# Altium PCB ZJUDancer_Circuit_V3.6.3_MKVer.PcbDoc (part 2 of 3) (continued)
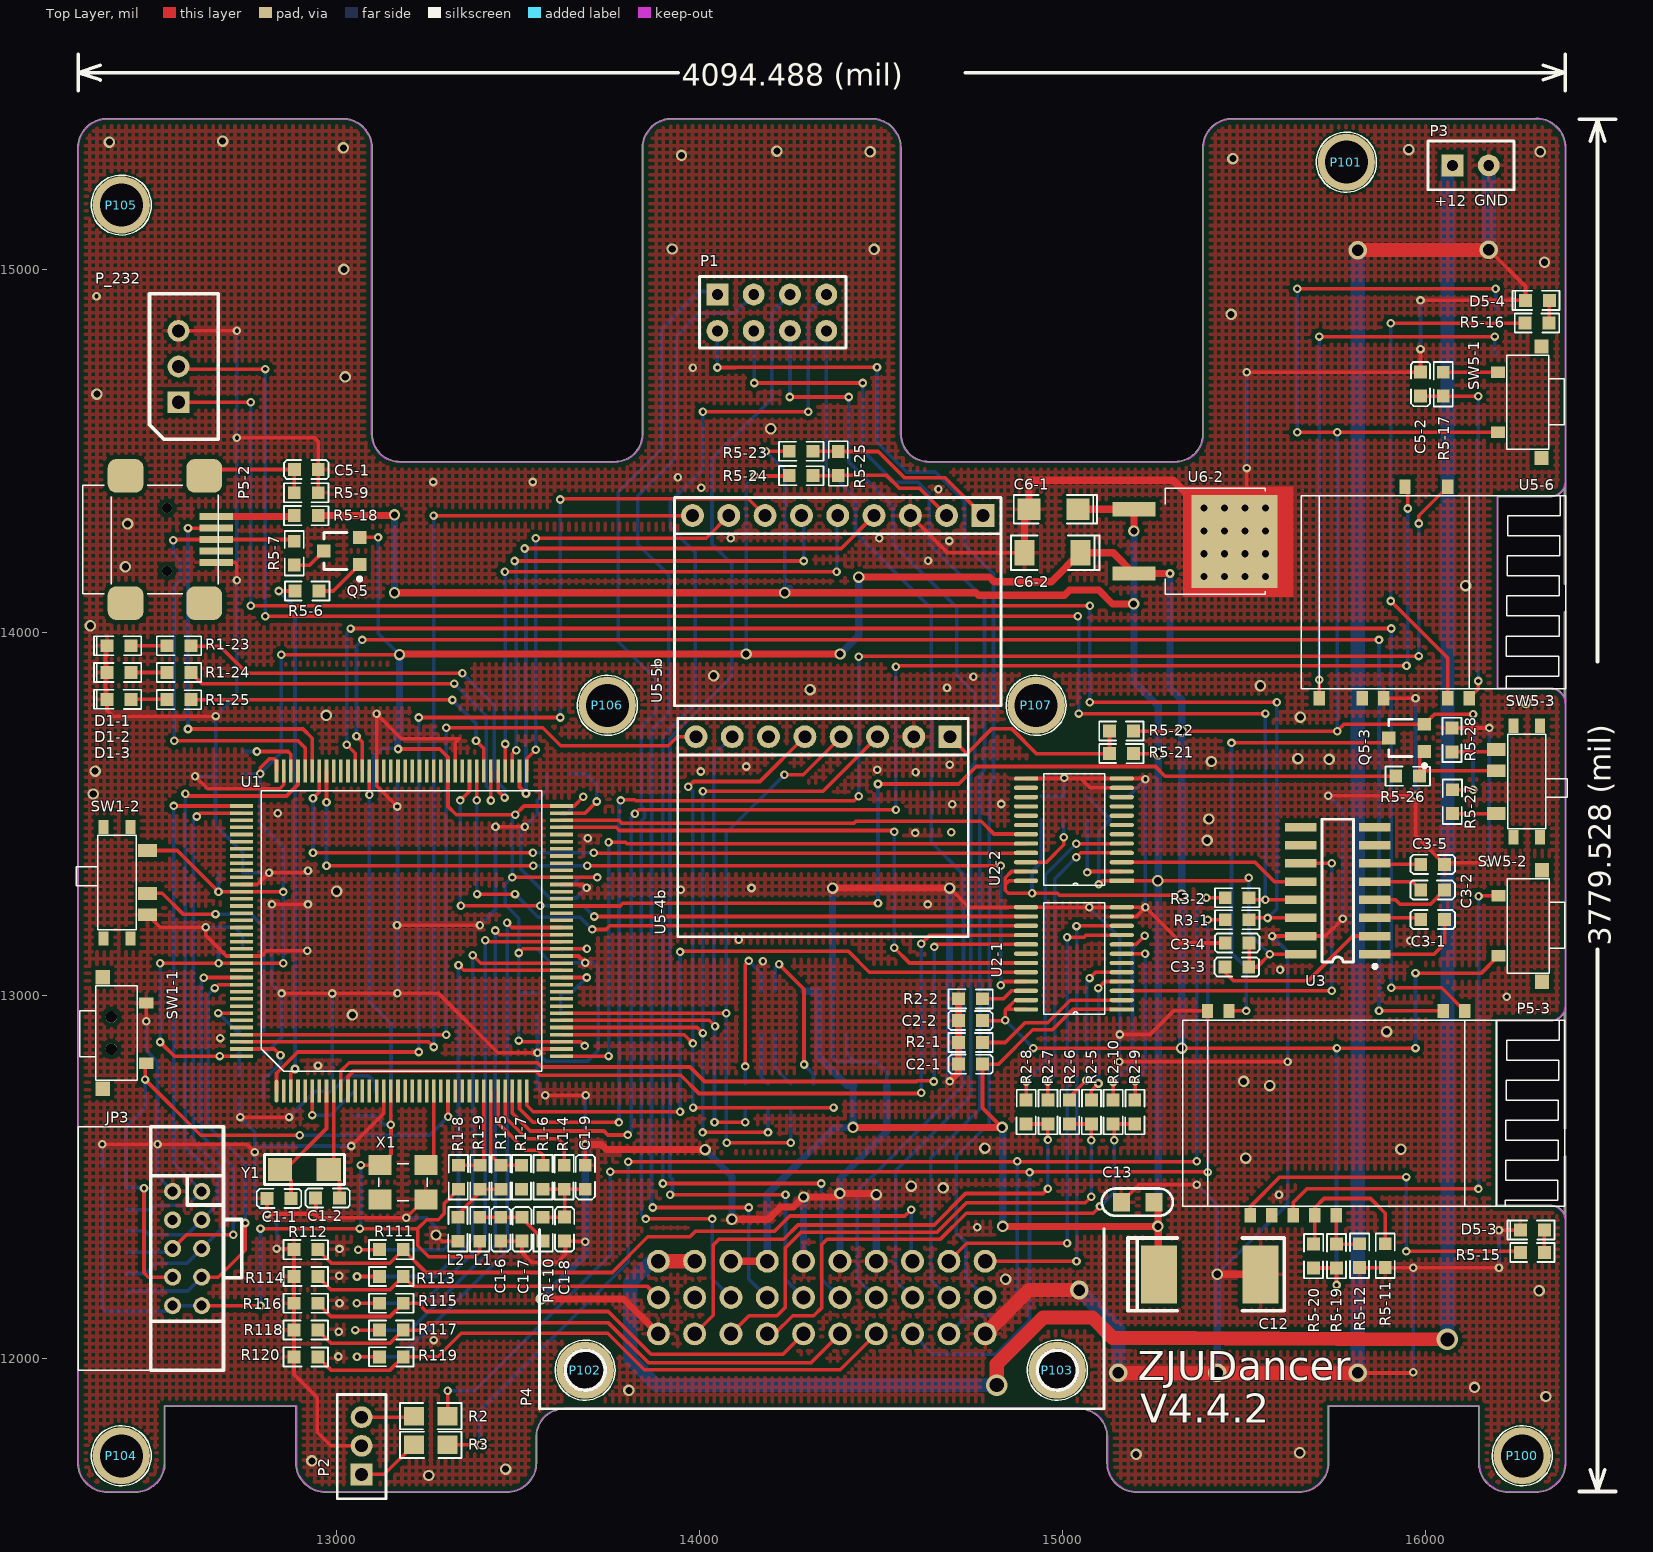
[diagram p0: Top Layer view]
## Nets (pads, with @x,y where several pads share a name; then routed paths per layer and width w, separated by ;. In a path a pad name is that pad's centre, name@x,y a point inside that pad or via, vN(x,y) a via of type N, cw(c..) or ccw(c..) an arc to the next point about the centre after c; other vN are vias at no path point) (continued)
NetR5-21_2: R5-21.2 R5-22.2 U5-4b.1 | length 577.4
  Top Layer w10: U5-4b.1@14689.57,13711.99 14736.21,13665.35 14805.17,13734.31 14858.61,13734.31 14927.56,13665.35 R5-21.2@15128.51,13665.35 R5-22.2@15128.51,13727.36
NetR5-23_2: R5-23.2 R5-25.2 U5-5b.1 | length 541.1
  Top Layer w10: R5-23.2@14312.45,14498.15 14380.73,14498.15 R5-25.2@14381.48,14497.39 14491.78,14497.39 14564.47,14424.7 14676.42,14424.7 U5-5b.1@14780.13,14320.99
NetR5-24_2: R5-24.2 R5-25.1 U5-5b.2 | length 413.7
  Top Layer w10: R5-24.2@14312.45,14431.02 14380.92,14431.02 R5-25.1@14381.48,14431.58 14514.28,14431.58 14549.21,14396.65 14604.47,14396.65 U5-5b.2@14680.13,14320.99
NetR5-27_2: R5-27.2 SW5-3.1 | length 121
  Top Layer w10: R5-27.2@16072.83,13500 SW5-3.1@16193.83,13500
NetR5-28_1: R5-28.1 SW5-3.3 | length 128.9
  Top Layer w10: R5-28.1@16071.85,13670.28 16193.83,13670.28 SW5-3.3@16193.83,13677.17
NetSW5-6_2: SW5-6.2 U5-6.9 | length 1528.9
  Top Layer w10: U5-6.9@15706.22,13818.03 v1(15706.22,13869.09) ; v1(15706.69,14813.98) v1(16189.96,14813.98)
  Bottom Layer w10: v1(15706.22,13869.09) 15706.22,14813.98 v1(15706.69,14813.98) ; v1(16189.96,14813.98) 16189.96,14766.73 SW5-6.2@16191.93,14766.73
OPT1: P4.8 R111.1 R112.2 | length 1906.8
  Top Layer w10: R112.2@12948.26,12299.22 12985.67,12261.81 13146.17,12261.81 R111.1@13183.49,12299.14 13246.41,12236.22 13758.86,12236.22 13857.28,12334.65 13973.43,12334.65 13989.17,12350.39 14206.93,12350.39 14248.35,12391.81 14565.04,12391.81 v1(14582.68,12409.45)
  Bottom Layer w10: v1(14582.68,12409.45) 14582.68,12270.78 P4.8@14586.14,12267.31
OPT1_LED: P4.9 U2-1.9 | length 1342
  Top Layer w10: P4.9@14686.14,12267.31 14735.76,12316.93 v1(15011.81,12316.93) ; v1(15011.81,13159.45) 15059.06,13159.45 15065.19,13165.59 U2-1.9@15162.58,13165.59
  Bottom Layer w10: v1(15011.81,12316.93) v1(15011.81,13159.45)
OPT1_LED_3.3V: U1.80 U2-1.15 | length 1896.2
  Top Layer w10: v1(13385.62,13536.63) U1.80@13385.62,13617.71 ; v1(13386.81,13278.54) v1(13491.31,13278.54) ; v1(13703.74,13181.1) 13741.89,13181.1 13751.97,13191.18 U2-1.15@14898.8,13191.18
  Bottom Layer w10: v1(13385.62,13536.63) 13385.62,13279.74 v1(13386.81,13278.54) ; v1(13491.31,13278.54) 13555.28,13214.57 13670.28,13214.57 v1(13703.74,13181.1)
OPT2: P4.11 R113.1 R114.2 | length 992
  Top Layer w10: R114.2@12948.26,12225.4 12984.68,12188.98 13147.15,12188.98 R113.1@13183.49,12225.32 13209.99,12198.82 13854.64,12198.82 P4.11@13886.14,12167.31
OPT2_LED: P4.10 U2-1.10 | length 1300.3
  Top Layer w10: P4.10@14786.14,12267.31 v1(15037.8,12267.31) ; v1(15037.8,13190.36) 15038.62,13191.18 U2-1.10@15162.58,13191.18
  Bottom Layer w10: v1(15037.8,12267.31) 15038.31,12267.82 15038.31,12754.32 15038.22,12754.41 15038.22,12776.36 15038.31,12776.45 15038.31,13189.86 v1(15037.8,13190.36)
OPT2_LED_3.3V: U1.81 U2-1.14 | length 1952.8
  Top Layer w10: v1(13340.55,13536.42) 13365.93,13561.8 U1.81@13365.93,13617.71 ; v1(13342.29,13246.3) v1(13561.02,13246.3) ; v1(13709.41,13216.77) U2-1.14@14898.8,13216.77
  Bottom Layer w10: v1@13339.57,13249.02 v1@13340.55,13248.03 ; v1(13340.55,13536.42) v1@13340.55,13248.03 ; v1(13342.29,13246.3) v1@13340.55,13248.03 ; v1(13561.02,13246.3) 13679.88,13246.3 v1(13709.41,13216.77)
OSC_IN: U1.23 X1.3 | length 212.7
  Top Layer w10: X1.3@13245.85,12532.08 13267.51,12553.74 U1.23@13267.51,12735.83
OSC_IN2: C1-1.2 U1.8 Y1.2 | length 369.7
  Top Layer w10: C1-1.2@12874.24,12440.55 12874.24,12490.31 Y1.2@12844.28,12520.27 12859.63,12520.27 12972.23,12632.87 U1.8@12972.23,12735.83
OSC_OUT: U1.24
OSC_OUT2: C1-2.2 U1.9 Y1.1 | length 312.4
  Top Layer w10: U1.9@12991.92,12735.83 12991.92,12534.05 Y1.1@12978.13,12520.27 13008.09,12490.31 C1-2.2@13008.09,12441.54
PA0: U1.34 U5-6.4 | length 4319.3
  Top Layer w10: U1.34@13484.04,12735.83 13484.04,12675.41 13533.46,12625.98 13736.22,12625.98 13747.05,12615.16 v1(13802.17,12615.16) ; v1(13821.54,13499.67) 13832.69,13510.83 v1(14540.35,13510.83) ; v1(14540.35,13904.53) 14540.35,13907.48 15946.64,13907.48 v1(15946.64,13907.17) ; U5-6.4@15942.44,14400.71 15949.8,14393.35 v1(15949.8,14340.55)
  Bottom Layer w10: v1(13802.17,12615.16) 13811.02,12624.02 13811.02,13489.16 v1(13821.54,13499.67) ; v1(14540.35,13510.83) v1(14540.35,13904.53) ; v1@15949.8,13907.17 v1(15949.8,14340.55)
PA1: U1.35 U5-6.2 | length 4317.3
  Top Layer w10: U1.35@13503.73,12735.83 13503.73,12687.22 13541.34,12649.61 v1(13777.56,12649.61) ; v1(13782.48,13536.42) 13783.39,13535.51 13785.23,13535.51 13788.07,13538.35 13820.97,13538.35 13823.81,13535.51 14425.28,13535.51 v1(14437.99,13548.23) ; v1(14437.99,13932.09) 14439.88,13933.98 v1(15980.24,13933.98) ; v1(15980.24,14299.21) 15980.24,14320.39 U5-6.2@16060.55,14400.71
  Bottom Layer w10: v1(13777.56,12649.61) 13777.56,13531.5 v1(13782.48,13536.42) ; v1(14437.99,13548.23) v1(14437.99,13932.09) ; v1(15980.24,13933.98) v1(15980.24,14299.21)
PA2: U1.36 U2-1.20 | length 1885.5
  Top Layer w10: U1.36@13523.41,12735.83 13523.41,12697.06 13541.34,12679.13 v1(13945.87,12679.13) ; v1@13945.87,13120.98 14409.53,13120.98 14467.29,13063.23 U2-1.20@14898.8,13063.23
  Bottom Layer w10: v1(13945.87,12679.13) v1(13945.87,13119.09)
PA3: U1.37 U2-2.20 | length 1869.4
  Top Layer w10: U1.37@13619.87,12832.28 v1(13749.02,12832.28) ; v1(13749.02,13421.26) 13796.26,13421.26 13799.96,13417.56 U2-2.20@14898.8,13417.56
  Bottom Layer w10: v1(13749.02,12832.28) v1(13749.02,13421.26)
PA4: R4-1.2 U1.40 U5-4b.5 | length 2082.2
  Top Layer w10: U1.40@13619.87,12891.34 13957.09,12891.34 v1(13981.3,12867.13) ; v1(13968.5,13573.82) 13983.19,13588.5 14166.08,13588.5 U5-4b.5@14289.57,13711.99 ; v1(13981.73,12690.52) v1(14368.67,12690.52)
  Bottom Layer w10: v1(13968.5,13573.82) 13981.3,13561.02 v1(13981.3,12867.13) v1@13981.3,12690.94 ; v1@13980.32,12691.93 v1@13981.3,12690.94 ; v1(13981.73,12690.52) v1@13981.3,12690.94 ; R4-1.2@14313.32,12690.52 v1(14368.67,12690.52)
PA5: R4-2.2 U1.41 U5-4b.3 | length 2127.1
  Top Layer w10: U1.41@13619.87,12911.02 13993.51,12911.02 v1(14008.86,12895.67) ; v1(14007.88,12622.05) v1(14187.99,12622.05) ; v1(14008.86,13562.01) 14339.59,13562.01 U5-4b.3@14489.57,13711.99
  Bottom Layer w10: v1(14007.88,12622.05) 14008.86,12623.03 v1(14008.86,12895.67) v1(14008.86,13562.01) ; v1(14187.99,12622.05) R4-2.2@14187.99,12690.52
PA6: R4-3.2 U1.42 U5-4b.7 | length 1639.4
  Top Layer w10: U1.42@13619.87,12930.71 14025.99,12930.71 v1(14042.32,12914.37) ; v1(14040.68,12650.26) v1(14125.33,12650.26)
  Bottom Layer w10: v1(14040.68,12650.26) 14040.68,12912.73 v1(14042.32,12914.37) 14038.39,12918.31 14038.39,13660.81 U5-4b.7@14089.57,13711.99 ; v1(14125.33,12650.26) R4-3.2@14125.33,12690.52
PA7: R4-4.2 U1.43 U5-4b.4 | length 2006.3
  Top Layer w10: U1.43@13619.87,12950.39 v1(14073.23,12950.39) ; v1(14074.15,12593.83) v1(14250.65,12593.83) ; v1(14233.27,13607.28) 14284.86,13607.28 U5-4b.4@14389.57,13711.99
  Bottom Layer w10: v1(14074.15,12593.83) 14073.23,12594.75 v1(14073.23,12950.39) 14073.23,13447.25 v1(14233.27,13607.28) ; v1(14250.65,12593.83) R4-4.2@14250.65,12690.52
PA8: U1.100
PA9: U1.101 U2-1.21 | length 2520.9
  Top Layer w10: v1(12972.23,13356.3) v1(13541.34,13356.3) ; v1(12972.23,13531.5) U1.101@12972.23,13617.71 ; v1(13689.96,13356.3) 14789.37,13356.3 v1(14828.74,13356.3) ; v1(14828.74,13027.56) 14838.82,13037.64 U2-1.21@14898.8,13037.64
  Bottom Layer w10: v1(12972.23,13356.3) v1(12972.23,13531.5) ; v1(13541.34,13356.3) v1(13689.96,13356.3) ; v1(14828.74,13027.56) v1(14828.74,13356.3)
PA10: U1.102 U2-2.21 | length 2197.5
  Top Layer w10: v1(12935.04,13391.97) v1(13540.59,13391.97) ; v1(12935.04,13542.32) 12952.55,13559.83 U1.102@12952.55,13617.71 ; v1(13708.43,13391.97) 13709.33,13391.06 14897.89,13391.06 U2-2.21@14898.8,13391.97
  Bottom Layer w10: v1(12935.04,13391.97) v1(12935.04,13542.32) ; v1(13540.59,13391.97) v1(13708.43,13391.97)
PA11: P5-2.2 U1.103 | length 1073.8
  Top Layer w10: v1(12590.67,13733.15) 12907.6,13733.15 12932.86,13707.89 U1.103@12932.86,13617.71 ; v1(12590.67,14286.54) P5-2.2@12668.25,14286.54
  Bottom Layer w10: v1(12590.67,13733.15) v1(12590.67,14286.54)
PA12: P5-2.3 R5-7.2 U1.104 | length 1333
  Top Layer w10: v1(12550.2,14252.95) v1@12551.18,14253.94 ; v1@12551.18,14255.04 P5-2.3@12668.25,14255.04 12880.04,14255.04 R5-7.2@12883.3,14258.3 ; v1(12553.15,13700.79) 12893.7,13700.79 12913.18,13681.31 U1.104@12913.18,13617.71
  Bottom Layer w10: v1(12550.2,14252.95) 12550.2,14215.55 12568.9,14196.85 12568.9,14142.72 12553.15,14126.97 v1(12553.15,13700.79)
PB0: U1.46
PB1: U1.47
PB5: U1.135
PB6: U1.136
PB7: U1.137
PB8: U1.139
PB9: U1.140
PB10: U1.69 U2-1.19 | length 1620.4
  Top Layer w10: U1.69@13619.87,13462.2 13769.8,13462.2 13778.51,13453.49 14531.74,13453.49 v1(14535.43,13449.8) ; v1(14535.43,13130.91) 14577.52,13088.82 U2-1.19@14898.8,13088.82
  Bottom Layer w10: v1(14535.43,13130.91) v1(14535.43,13449.8)
PB11: U1.70 U2-2.19 | length 1300.1
  Top Layer w10: U1.70@13619.87,13481.89 13777.96,13481.89 13786.66,13473.18 14424.36,13473.18 14430.51,13479.33 14775.36,13479.33 14810.64,13444.05 14897.89,13444.05 U2-2.19@14898.8,13443.15
PB12: U1.73 U5-5b.8 | length 1212.4
  Top Layer w10: U1.73@13523.41,13617.71 13523.41,13651.36 v1(13548.23,13676.18) ; v1@13549.21,14259.84 v1(13548.23,14258.86) 14018,14258.86 U5-5b.8@14080.13,14320.99
  Bottom Layer w10: v1(13548.23,14258.86) v1(13548.23,13676.18) v1@13550.2,13676.18
PB13: U1.74 U5-5b.4 | length 1745.9
  Top Layer w10: U1.74@13503.73,13617.71 13503.73,13573.35 v1(13521.53,13555.54) ; v1(13517.72,14230.32) 14389.45,14230.32 U5-5b.4@14480.13,14320.99
  Bottom Layer w10: v1(13517.72,14230.32) 13521.53,14226.5 v1(13521.53,13555.54)
PB14: U1.75 U5-5b.6 | length 1508.7
  Top Layer w10: U1.75@13484.04,13617.71 13484.04,13664.17 v1(13494.75,13674.88) ; v1(13490.16,14195.87) v1(14286.42,14195.87)
  Bottom Layer w10: v1(13490.16,14195.87) 13495.07,14190.95 13495.07,13675.2 v1(13494.75,13674.88) ; U5-5b.6@14280.13,14320.99 14286.42,14314.7 v1(14286.42,14195.87)
PB15: U1.76 U5-5b.5 | length 1618.3
  Top Layer w10: v1(13463.58,14166.34) v1(14376.97,14166.34) ; U1.76@13464.36,13617.71 v1(13464.36,13691.93)
  Bottom Layer w10: v1(13463.58,14166.34) 13464.36,14165.57 v1(13464.36,13691.93) ; v1(14376.97,14166.34) 14376.97,14317.83 U5-5b.5@14380.13,14320.99
PC6: P5-3.2 U1.96 | length 4373.3
  Top Layer w10: v1(13054.77,13713.27) 13070.66,13697.38 U1.96@13070.66,13617.71 ; v1(13070.66,13978.56) v1(15870.85,13978.56) ; v1(15870.85,12956.9) 16048.02,12956.9 P5-3.2@16048.23,12956.69
  Bottom Layer w10: v1(13054.77,13713.27) 13054.77,13962.67 v1(13070.66,13978.56) ; v1(15870.85,12956.9) v1(15870.85,13978.56)
PC7: P5-3.1 U1.97 | length 4491.3
  Top Layer w10: v1(13027.56,13689.96) 13050.97,13666.55 U1.97@13050.97,13617.71 ; v1(13038.39,14009.84) 13090.34,14009.84 13090.55,14010.05 v1(15904.74,14010.05) ; v1(15904.74,13020.46) 16043.52,13020.46 P5-3.1@16107.28,12956.69
  Bottom Layer w10: v1(13027.56,13689.96) 13027.56,13999.02 v1(13038.39,14009.84) ; v1(15904.74,13020.46) v1(15904.74,14010.05)
PC8: U1.98
PC9: U1.99
PC10: U1.111
PC11: U1.112
PC12: U1.113
PC13: U1.7
PC_232RX: P2.3 R2.1 | length 145
  Top Layer w10: P2.3@13068.82,11837.72 13209.91,11837.72 R2.1@13212.66,11840.46
PC_232TX: P2.1 R3.2 | length 177.5
  Top Layer w10: P2.1@13068.82,11680.24 13131.43,11680.24 R3.2@13212.66,11761.46
PD0: U1.114
PD1: U1.115
PD2: U1.116
PD3: U1.117
PD4: U1.118
PD5: U1.119
PD6: U1.122
PD7: U1.123
PD8: R1-23.2 U1.77 | length 1250.6
  Top Layer w10: R1-23.2@12598.7,13962.42 12600.49,13960.63 12679.13,13960.63 12752.95,13886.81 v1(13346.46,13886.81) ; U1.77@13444.67,13617.71 13444.67,13562.22 v1(13462.6,13544.29)
  Bottom Layer w10: v1(13346.46,13886.81) 13434.06,13799.21 13434.06,13595.47 13462.6,13566.93 v1(13462.6,13544.29)
PD9: R1-24.2 U1.78 | length 1183.7
  Top Layer w10: R1-24.2@12598.7,13888.8 12630.21,13857.28 v1@13319.88,13857.28 ; v1@13319.88,13858.27 v1(13323.82,13858.27) ; v1(13424.99,13536.21) U1.78@13424.99,13617.71
  Bottom Layer w10: v1(13323.82,13858.27) 13412.4,13769.68 13412.4,13575.79 13424.99,13563.2 v1(13424.99,13536.21)
PD10: R1-25.2 U1.79 | length 951.3
  Top Layer w10: R1-25.2@12598.7,13814 v1@13317.91,13814 ; v1@13317.91,13812.99 v1(13318.92,13812.99) ; v1(13383.86,13700.79) 13405.3,13679.35 U1.79@13405.3,13617.71
  Bottom Layer w10: v1(13318.92,13812.99) 13383.86,13748.05 v1(13383.86,13700.79)
PD13: U1.82
PD14: U1.85
PD15: U1.86
PE0: U1.141 U5-4b.8 | length 2127.8
  Top Layer w10: U1.141@12737.98,12891.34 v1(13301.58,12891.34) ; v1(13301.58,13736.62) 13567.52,13736.62 13617.13,13687.01 13913.4,13687.01 13938.39,13711.99 U5-4b.8@13989.57,13711.99
  Bottom Layer w10: v1(13301.58,12891.34) v1(13301.58,13736.62)
PE1: U1.142 U5-5b.9 | length 2712.8
  Top Layer w10: U1.142@12737.98,12871.65 13253.35,12871.65 v1(13267.72,12857.28) ; v1(13267.01,14320.99) U5-5b.9@13980.13,14320.99
  Bottom Layer w10: v1(13267.01,14320.99) 13267.01,12922.24 13267.72,12921.54 v1(13267.72,12857.28)
PE2: U1.1 U5-5b.7 | length 2960.9
  Top Layer w10: U1.1@12834.44,12735.83 12834.44,12785.22 12892.72,12843.5 v1(13226.38,12843.5) ; v1(13226.38,13764.76) v1(13616.14,13764.76) ; v1(13616.14,14365.16) 13618.16,14367.17 14133.95,14367.17 U5-5b.7@14180.13,14320.99
  Bottom Layer w10: v1(13226.38,12843.5) v1(13226.38,13764.76) ; v1(13616.14,13764.76) v1(13616.14,14365.16)
PE3: U1.2
PE4: R5-6.2 U1.3 | length 1446
  Top Layer w10: v1(12840.55,14113.19) R5-6.2@12885.83,14113.19 ; U1.3@12873.81,12735.83 12873.81,12785.22 v1(12885.4,12796.82)
  Bottom Layer w10: v1(12840.55,14113.19) 12885.4,14068.34 v1(12885.4,12796.82)
PE5: U1.4
PE6: U1.5
PE7: R5-26.1 U1.58 | length 2659.8
  Top Layer w10: U1.58@13619.87,13245.67 13781.1,13245.67 13788.39,13252.95 v1(14491.14,13252.95) ; v1(14491.14,13581.69) 14713.58,13581.69 14761.81,13629.92 15255.19,13629.92 15281.76,13603.35 R5-26.1@15916.9,13603.35
  Bottom Layer w10: v1(14491.14,13252.95) v1(14491.14,13581.69)
PE8: U1.59
PE9: U1.60
PE10: U1.63
PE11: U1.64
PE12: U1.65
PE13: U1.66
PE14: U1.67
PE15: U1.68
PF2: U1.12
PF3: U1.13
PF4: U1.14
PF5: U1.15
PF6: U1.18
PF7: U1.19
PF8: U1.20
PF9: U1.21
PF10: U1.22
PF11: R111.2 U1.49 | length 1383.3
  Top Layer w10: v1(13059.96,12299.14) R111.2@13117.68,12299.14 ; v1(13335.63,13082.68) 13349.81,13068.5 U1.49@13619.87,13068.5
  Bottom Layer w10: v1(13059.96,12299.14) 13295.2,12299.14 13335.63,12339.57 v1(13335.63,13082.68)
PF12: R113.2 U1.50 | length 1459.2
  Top Layer w10: v1(13056.18,12225.32) R113.2@13117.68,12225.32 ; v1(13375,13110.24) 13397.05,13088.19 U1.50@13619.87,13088.19
  Bottom Layer w10: v1(13056.18,12225.32) 13272.56,12225.32 13375,12327.76 v1(13375,13110.24)
PF13: R115.2 U1.53 | length 1528.1
  Top Layer w10: v1(13055.19,12151.5) R115.2@13117.68,12151.5 ; v1(13409.45,13151.57) 13413.78,13147.24 U1.53@13619.87,13147.24
  Bottom Layer w10: v1(13055.19,12151.5) 13237.13,12151.5 13409.45,12323.82 v1(13409.45,13151.57)
PF14: R117.2 U1.54 | length 1603.2
  Top Layer w10: v1(13051.11,12077.68) R117.2@13117.68,12077.68 ; v1(13437.01,13178.15) 13448.23,13166.93 U1.54@13619.87,13166.93
  Bottom Layer w10: v1(13051.11,12077.68) 13202.68,12077.68 13437.01,12312.01 v1(13437.01,13178.15)
PF15: R119.2 U1.55 | length 1655.3
  Top Layer w10: v1(13056.17,12003.86) R119.2@13117.68,12003.86 ; v1(13469.49,13199.8) 13482.68,13186.61 U1.55@13619.87,13186.61
  Bottom Layer w10: v1(13056.17,12003.86) 13177.09,12003.86 13469.49,12296.26 v1(13469.49,13199.8)
PG0: U1.56
PG1: U1.57
PG2: U1.87
PG3: U1.88
PG4: U1.89
PG5: U1.90
PG6: U1.91
PG7: U1.92
PG8: U1.93
PG9: U1.124
PG10: U1.125
PG11: U1.126
PG12: U1.127
PG13: U1.128
PG14: U1.129
PG15: U1.132
RESERVED: P4.12
RESET: C1-3.2 JP3.4 R1-3.1 SW1-1.1 U1.25 | length 1722.9
  Top Layer w10: v1(12469.49,12468.5) 12469.49,12235.24 12481.18,12223.54 JP3.4@12548.46,12223.54 ; SW1-1.1@12475.9,12813.11 12472.44,12809.65 v1(12472.44,12767.72) 12625.98,12614.17 v1(12898.62,12614.17) ; v1(13306.88,12665.14) U1.25@13306.88,12735.83
  Bottom Layer w10: v1(12469.49,12468.5) 12467.45,12470.54 R1-3.1@12420.08,12470.54 C1-3.2@12420.09,12529.59 12420.09,12637.61 12472.44,12689.96 v1(12472.44,12767.72) ; v1(12898.62,12614.17) 13255.91,12614.17 v1(13306.88,12665.14)
RX-232: P_232.2 R3-2.1 U3.13 | length 4603
  Top Layer w10: P_232.2@12564.49,14731.42 12571.5,14724.41 v1(12803.15,14724.41) ; v1(12803.15,14043.31) v1(15041.34,14043.31) ; v1(15044.29,13775.59) v1(15558.07,13775.59) ; R3-2.1@15513.31,13268.29 15518.68,13262.91 v1(15558.07,13262.91) U3.13@15655.04,13262.91
  Bottom Layer w10: v1(12803.15,14043.31) v1(12803.15,14724.41) ; v1(15041.34,14043.31) 15044.29,14040.35 v1(15044.29,13775.59) v1@15042.32,13773.62 ; v1(15558.07,13262.91) v1(15558.07,13775.59)
RXD1: P4.22 R2-7.1 R2-8.1 | length 1489.8
  Top Layer w10: P4.22@13986.14,12067.31 14037.4,12118.57 14037.4,12312.01 14053.15,12327.76 14231.3,12327.76 14270.67,12367.13 14645.67,12367.13 14732.28,12453.74 14945.51,12453.74 v1(14958.98,12467.2) ; R2-8.1@14899.14,12645.37 R2-7.1@14958.98,12645.37 v1(14958.98,12601.38)
  Bottom Layer w10: v1(14958.98,12467.2) v1(14958.98,12601.38)
SCK: ?.3 R4-2.1 | length 144.4
  Bottom Layer w10: ?.3@14168.98,12892.83 14168.98,12775.34 R4-2.1@14187.99,12756.33
SS: ?.6 R4-1.1 | length 447.5
  Top Layer w10: v1(14218.5,13085.63) 14287.4,13016.73 v1(14287.4,12809.06)
  Bottom Layer w10: ?.6@14208.35,13010.94 14208.35,13075.47 v1(14218.5,13085.63) ; v1(14287.4,12809.06) 14313.32,12783.14 R4-1.1@14313.32,12756.33
TX-232: P_232.1 R3-1.1 U3.14 | length 4604.2
  Top Layer w10: P_232.1@12564.49,14632.99 v1(12763.66,14632.99) ; v1(12763.66,14072.83) v1(15074.8,14072.83) ; v1(15073.94,13806.97) v1(15589.68,13806.97) ; R3-1.1@15513.31,13207.8 15518.43,13212.91 U3.14@15655.04,13212.91
  Bottom Layer w10: v1(12763.66,14072.83) v1(12763.66,14632.99) ; v1@15071.85,13809.06 v1@15073.82,13807.09 ; v1(15073.94,13806.97) v1@15073.82,13807.09 ; v1(15074.8,14072.83) 15073.82,14071.85 v1@15073.82,13807.09 ; v1(15563.98,13212.6) 15589.68,13238.31 v1(15589.68,13806.97)
TXD1: P4.23 R2-5.1 R2-6.1 | length 1505.4
  Top Layer w10: P4.23@14086.14,12067.31 14135.95,12117.13 14212.6,12117.13 14235.24,12139.76 14235.24,12303.85 14278.82,12347.44 14653.82,12347.44 14734.53,12428.15 15062.01,12428.15 v1(15078.66,12444.8) ; R2-6.1@15018.82,12645.37 R2-5.1@15078.66,12645.37 v1(15078.66,12600.39)
  Bottom Layer w10: v1(15078.66,12444.8) v1(15078.66,12600.39)
USART1_RX_5V: U2-2.3 U3.12 | length 514.6
  Top Layer w10: U2-2.3@15162.58,13366.38 15529.29,13366.38 15582.76,13312.91 U3.12@15655.04,13312.91
USART1_TX_5V: U2-1.3 U3.11 | length 1015.8
  Top Layer w10: U2-1.3@15162.58,13012.04 v1(15740.91,13012.04) ; U3.11@15655.04,13362.91 15655.55,13363.42 v1(15740.91,13363.42)
  Bottom Layer w10: v1(15740.91,13012.04) v1(15740.91,13363.42)
USART2_RX_5V: R2-7.2 U2-2.4 | length 831.4
  Top Layer w10: R2-7.2@14958.98,12711.18 v1(14958.98,12761.49) ; v1(15037.4,13379.92) 15049.45,13391.97 U2-2.4@15162.58,13391.97
  Bottom Layer w10: v1(14958.98,12761.49) 14978.35,12780.86 14978.35,13320.87 v1(15037.4,13379.92)
USART2_TX_5V: R2-5.2 U2-1.4 | length 388.4
  Top Layer w10: R2-5.2@15078.66,12711.18 15078.66,12737.13 v1(15098.43,12756.89) ; v1(15097.67,13019.68) 15115.62,13037.64 U2-1.4@15162.58,13037.64
  Bottom Layer w10: v1@15095.47,12759.84 15099.41,12763.78 15099.41,13017.95 v1(15097.67,13019.68)
USART3_RX_5V: R2-8.2 U2-2.5 | length 891.5
  Top Layer w10: R2-8.2@14899.14,12711.18 v1(14899.14,12762.28) ; v1(15037.4,13417.39) v1@15037.4,13417.56 ; v1@15037.4,13420.28 v1@15037.4,13417.56 ; U2-2.5@15162.58,13417.56 v1@15037.4,13417.56
  Bottom Layer w10: v1(14899.14,12762.28) 14951.77,12814.92 14951.77,13331.76 v1(15037.4,13417.39)
USART3_TX_5V: R2-6.2 U2-1.5 | length 454.2
  Top Layer w10: R2-6.2@15018.82,12711.18 15018.82,12719.49 v1(15064.71,12765.39) ; v1(15073.82,13047.24) 15089.8,13063.23 U2-1.5@15162.58,13063.23
  Bottom Layer w10: v1(15064.71,12765.39) 15065.94,12766.62 15065.94,13039.37 v1(15073.82,13047.24)
USB2_5V: P1.1 P4.13 | length 3193.3
  Top Layer w10: v1(13851.38,12383.86) v1(14034.45,12383.86)
  Bottom Layer w10: v1(13851.38,12383.86) 13839.02,12396.22 13839.02,13479.68 13848.04,13488.7 13848.04,13510.65 13839.02,13519.67 13839.02,13739.17 13878.94,13779.09 13878.94,13869.84 13775.59,13973.19 13775.59,14385.83 13893.7,14503.94 13893.7,14833.66 13998.03,14937.99 14040.59,14937.99 P1.1@14048.74,14929.84 ; v1(14034.45,12383.86) 14034.45,12219.01 P4.13@14086.14,12167.31
USB2_D+: P1.3 P4.15 | length 3288.9
  Top Layer w10: v1(13918.31,12450.79) v1(14236.22,12450.79)
  Bottom Layer w10: v1(13918.31,12450.79) 13925.12,12457.6 13925.12,12492.27 13918.31,12499.09 13918.31,13707.68 14088.58,13877.95 14088.58,14187.99 14033.95,14242.63 14033.95,14477.85 14198.82,14642.72 14198.82,14879.92 P1.3@14248.74,14929.84 ; v1(14236.22,12450.79) 14236.22,12217.24 P4.15@14286.14,12167.31
USB2_D-: P1.2 P4.14 | length 3294.3
  Top Layer w10: v1(13871.06,12415.35) v1(14134.84,12415.35)
  Bottom Layer w10: v1(13871.06,12415.35) 13867.13,12419.29 13867.13,13479.95 13867.72,13480.55 13867.72,13518.8 13867.13,13519.4 13867.13,13729.33 13914.37,13776.57 13914.37,14157.48 13829.72,14242.13 13829.72,14375 13935.04,14480.32 13935.04,14814.96 13998.03,14877.95 14096.85,14877.95 P1.2@14148.74,14929.84 ; v1(14134.84,12415.35) 14134.84,12218.61 P4.14@14186.14,12167.31
USB2_DG: P1.4 P4.16 | length 3634.5
  Top Layer w10: v1(13898.62,12481.3) v1(14334.65,12481.3) ; v1(14008.86,14607.28) v1(14299.21,14607.28)
  Bottom Layer w10: v1(13898.62,12481.3) 13898.62,13715.83 13988.19,13805.4 13988.19,14218.5 13919.29,14287.4 13919.29,14359.25 14008.86,14448.82 v1(14008.86,14607.28) ; v1@14299.21,14606.3 v1(14299.21,14607.28) 14299.21,14880.32 P1.4@14348.74,14929.84 ; v1(14334.65,12481.3) 14334.65,12218.81 P4.16@14386.14,12167.31
V\_\A\L\M\: P4.25 R115.1 R116.2 | length 1449.7
  Top Layer w10: R116.2@12948.26,12151.58 12984.68,12115.16 13147.15,12115.16 R115.1@13183.49,12151.5 13224.48,12151.5 13247.05,12128.94 13748.03,12128.94 13866.14,12010.83 14229.65,12010.83 P4.25@14286.14,12067.31
VBAT: C1-23.2 R1-20.1 U1.6 | length 210.2
  Top Layer w10: v1(12932.67,12669.88) 12932.86,12670.07 U1.6@12932.86,12735.83
  Bottom Layer w10: v1(12932.67,12669.88) C1-23.2@12987.98,12669.88 12987.98,12675.23 R1-20.1@13047.03,12734.28
VDDA: C1-8.1 C1-9.1 R1-4.2 R1-6.2 R1-10.2 | length 253.1
  Top Layer w10: R1-10.2@13568.69,12388.38 13627.69,12388.38 C1-8.1@13627.95,12388.65 13627.95,12464.52 R1-4.2@13626.76,12465.71 ; R1-6.2@13568.69,12465.71 R1-4.2@13626.76,12465.71 ; C1-9.1@13684.82,12465.72 R1-4.2@13626.76,12465.71
VREF+: R1-6.1 U1.32 | length 275.8
  Top Layer w10: U1.32@13444.67,12735.83 13444.67,12647.85 13519.69,12572.83 13554.13,12572.83 13568.69,12558.28 R1-6.1@13568.69,12531.52
VREF-: R1-7.2
VSSA: L2.2 R1-5.2 R1-9.2 | length 160.5
  Top Layer w10: L2.2@13333.98,12388.32 13333.98,12395.99 13394.47,12456.48 R1-9.2@13394.47,12465.71 R1-5.2@13452.54,12465.71
XPC_232RX: P4.28 R2.2 R3-1.2 | length 4085.8
  Top Layer w10: R2.2@13305.66,11840.46 v1(13305.66,11910.43) ; v1(13753.94,12513.78) v1@14910.43,12513.78 ; v1(14908.46,12511.81) v1@14910.43,12513.78 ; v1(15399.61,12512.8) 15398.62,12513.78 v1@14910.43,12513.78 ; v1(15399.61,13207.8) R3-1.2@15447.5,13207.8
  Bottom Layer w10: v1(13305.66,11910.43) 13379.92,11910.43 13753.94,12284.45 v1(13753.94,12513.78) ; P4.28@14586.14,12067.31 14642.18,12011.28 14815.41,12011.28 14908.46,12104.33 v1(14908.46,12511.81) ; v1(15399.61,12512.8) v1(15399.61,13207.8)
XPC_232TX: P4.29 R3-2.2 R3.1 | length 3997.2
  Top Layer w10: R3.1@13305.66,11761.46 13394.34,11761.46 v1(13394.69,11761.81) ; v1(13803.15,12541.34) v1@14873.03,12541.34 ; v1@14874.43,12541.34 15368.11,12541.34 v1(15369.09,12542.32) ; v1(15395.67,13268.29) R3-2.2@15447.5,13268.29
  Bottom Layer w10: v1(13394.69,11761.81) 13394.69,11856.3 13803.15,12264.76 v1(13803.15,12541.34) ; P4.29@14686.14,12067.31 14737.92,12119.09 14826.61,12119.09 14874.43,12166.91 v1(14874.43,12542.89) ; v1(15369.09,12542.32) 15369.09,13241.71 v1(15395.67,13268.29)
pads on no net: ?.1 ?.2 ?.7 ?.8 ?.9 ?.16 ?.17 ?.18 ?.19 ?.20 ?.21 ?.22 ?.23 ?.24 JP3.8 P4.0 P5-2.0 P5-2.4 P5-2.6@12418.82,14079.84 P5-2.6@12418.82,14430.24 P5-2.6@12635.35,14079.84 P5-3.25 P100.1 P101.1 P102.1 P103.1 P104.1 P105.1 P106.1 P107.1 SW1-1.0 SW1-1.5 SW1-2.0 SW5-1.0 SW5-2.0 SW5-3.0 SW5-6.0 SW5-6.3 U2-1.6 U2-1.18 U2-2.6 U2-2.7 U2-2.8 U2-2.9 U2-2.10 U2-2.14 U2-2.15 U2-2.16 U2-2.17 U2-2.18 U3.7 U3.8 U3.9 U3.10 U5-4b.6 U5-6.11 X1.1
copper on no net:
  other v1: 14692.91,13448.82

## Polygon pours and split planes (outlines as drawn)
GND on Top Layer "Top Layer-No Net" (hatched 90Degree grid 20 track 10, remove dead copper, pour order 2): 12288.9,11632.99 16383.39,11632.99 16383.39,15412.52 12288.9,15412.52 12288.9,11632.99
GND on Bottom Layer "Top Layer-No Net" (hatched 90Degree grid 20 track 10, remove dead copper, pour order 4): 12288.9,11632.99 16383.39,11632.99 16383.39,15412.52 12288.9,15412.52

## Keep-outs
Keep-Out Layer:
  lines w3.94: 16341.54,13843.62 16196.38,13843.62 16196.38,14375.12 16343.9,14375.12 ; 16343.5,13843.62 cw(c16343.5,13804.25) 16382.87,13804.25 ; 16344.02,14375 ccw(c16344.02,14414.37) 16383.39,14414.37 16383.39,14133.86 16383.39,15334.25 ; 16383.39,13804.25 16383.39,14055.12 16383.39,12633.86 16383.39,12970.47 cw(c16344.02,12970.47) 16344.02,12931.1 16193.9,12931.1 16193.9,12419.29 16344.02,12419.29 cw(c16344.02,12379.92) 16383.39,12379.92 16383.39,12555.12 16383.39,11711.73 cw(c16304.65,11711.73) 16304.65,11632.99 16225.91,11632.99 cw(c16225.91,11711.73) 16147.17,11711.73 16147.17,11869.21 15730.13,11869.21 15730.13,11711.73 cw(c15651.39,11711.73) 15651.39,11632.99 15488.39,11632.99 15202.28,11632.99 cw(c15202.28,11711.73) 15123.54,11711.73 15123.54,11783.39 ccw(c15044.8,11783.39) 15044.8,11862.13 13627.48,11862.13 ccw(c13627.48,11783.39) 13548.74,11783.39 13548.74,11711.73 cw(c13470,11711.73) 13470,11632.99 12968.39,11632.99 cw(c12968.39,11711.73) 12889.65,11711.73 12889.65,11869.21 12525.12,11869.21 12525.12,11711.73 cw(c12446.38,11711.73) 12446.38,11632.99 12367.64,11632.99 cw(c12367.64,11711.73) 12288.9,11711.73 12288.9,12932.2 ; 12288.9,12932.2 12288.9,15333.78 ; 12288.9,12932.2 12288.9,15333.78 ; 12288.9,15333.78 cw(c12367.64,15333.78) 12367.64,15412.52 ; 12288.9,15333.78 cw(c12367.64,15333.78) 12367.64,15412.52 ; 12367.64,15412.52 13017.24,15412.52 ; 12367.64,15412.52 13017.24,15412.52 ; 13017.24,15412.52 cw(c13017.24,15333.78) 13095.98,15333.78 ; 13017.24,15412.52 cw(c13017.24,15333.78) 13095.98,15333.78 ; 13095.98,14546.38 ccw(c13174.72,14546.38) 13174.72,14467.64 ; 13095.98,14546.38 ccw(c13174.72,14546.38) 13174.72,14467.64 ; 13095.98,14546.38 13095.98,15333.78 ; 13095.98,14546.38 13095.98,15333.78 ; 13174.72,14467.64 13765.28,14467.64 ccw(c13765.28,14546.38) 13844.02,14546.38 13844.02,15333.78 cw(c13922.76,15333.78) 13922.76,15412.52 14473.94,15412.52 cw(c14473.94,15333.78) 14552.68,15333.78 14552.68,14546.38 ccw(c14631.42,14546.38) 14631.42,14467.64 15308.58,14467.64 ; 15308.58,14467.64 ccw(c15308.58,14546.38) 15387.32,14546.38 ; 15308.58,14467.64 ccw(c15308.58,14546.38) 15387.32,14546.38 ; 15387.32,14546.38 15387.32,15333.78 ; 15387.32,14546.38 15387.32,15333.78 ; 15387.32,15333.78 cw(c15466.06,15333.78) 15466.06,15412.52 ; 15387.32,15333.78 cw(c15466.06,15333.78) 15466.06,15412.52 ; 15466.06,15412.52 16304.65,15412.52 15466.06,15412.52 ; 16383.39,15334.25 ccw(c16304.65,15334.25) 16304.65,15412.99 cw(c16304.65,15334.25) 16383.39,15334.25

## Other copper
Top Layer:
  region net GND: 15635.83,14096.46 15635.83,14400.59 15331.69,14400.59 15331.69,14096.46